# KiCad board omodri_laas.kicad_pcb (continued)
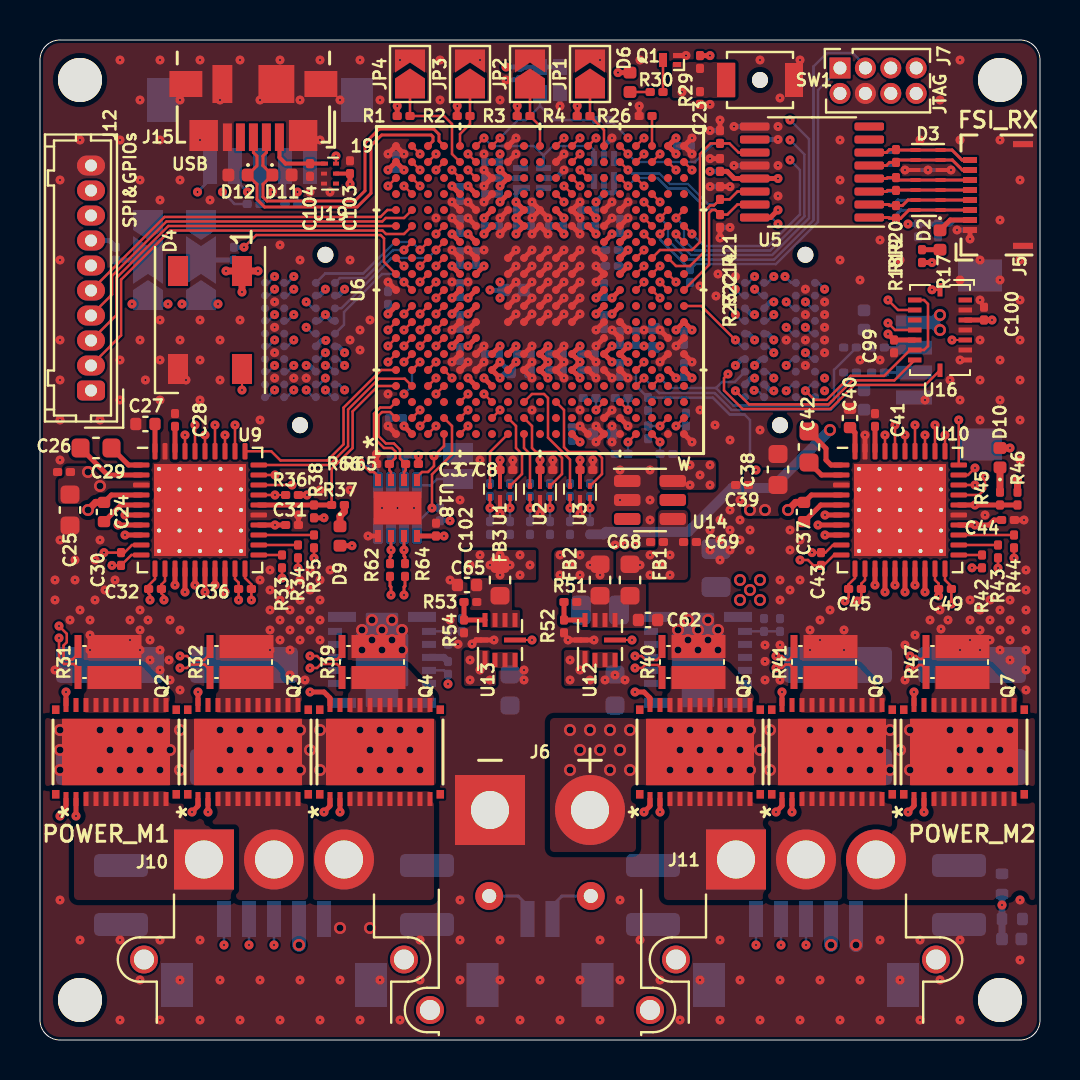
[diagram p0: board, top side]
## Routing (per net, layer and track width the routed paths; a pad name or vN(x,y) marks a point on that pad's centre or on a via; arc(x,y) is an arc through that point) (continued)
/OMODRI_GPIO/DRV2_GPIO_EN: length 22.6
  Top w0.125: U10.31 v1(45.25,30.25) ; U6.U11 v1(31,38.7)
  In3_sig.Cu w0.102: v1(45.25,30.25) 45.25,30.95 45,31.2 41.02,31.2 39.99,32.23 39.99,37.53 39.42,38.1 37.86,38.1 37.26,38.7 v1(31,38.7)
/OMODRI_GPIO/DRV_SPI_CLK: length 41.1
  Top w0.125: v1(46.75,28.6) 46.4,28.25 U10.29 ; U9.29 v1(11.75,28.25) ; U6.E3 v1(21.4,32.3)
  In3_sig.Cu w0.102: v1(11.75,28.25) 12.15,28.25 12.3,28.4 16.99,28.4 18.59,30.01 20.13,30.01 20.8,30.67 20.8,31.7 v1(21.4,32.3) 22.6,31.1 32.6,31.1 34.14,29.56 45.52,29.56 46.48,28.6 v1(46.75,28.6)
/OMODRI_GPIO/DRV_SPI_SIMO: length 39.6
  Top w0.125: v1(12.6,27.75) U9.28 ; U6.E1 v1(21.4,30.7) ; U10.28 v1(46.75,27.75)
  In3_sig.Cu w0.102: v1(12.6,27.75) 12.84,27.99 17.16,27.99 18.76,29.6 20.3,29.6 v1(21.4,30.7) 22.6,29.5 33.62,29.5 33.97,29.15 45.35,29.15 v1(46.75,27.75)
/OMODRI_GPIO/DRV_SPI_SOMI: length 43.1
  Top w0.102: R36.1 v1(11.75,27.25)
  Top w0.125: v1(47.25,28.17) 47.25,27.55 46.95,27.25 U10.27 ; U6.E2 v1(21.4,31.5) ; U9.27 v1(11.75,27.25)
  In3_sig.Cu w0.102: v1(11.75,27.25) 12.1,27.6 12.1,27.9 12.4,28.2 17.07,28.2 18.68,29.8 20.22,29.8 21,30.59 U6.E2 v1(21.4,31.5) 22.6,30.3 33.11,30.3 34.06,29.35 45.43,29.35 46.61,28.17 v1(47.25,28.17)
/OMODRI_GPIO/ECAT0_INT: length 9.8
  Top w0.125: U6.C11 v1(19,37.9)
  In2_sig.Cu w0.102: v1(19,37.9) 18.4,37.3 16.34,37.3 14.88,35.84 13.66,35.84 13.49,36.01 13.05,36.01 12.03,35 v1(11.73,35)
  Bottom w0.125: v1(11.73,35) 11.41,34.68 J9.A06
/OMODRI_GPIO/ECAT1_INT: length 3.9
  Top w0.125: U6.W9 33.07,36.7 v1(34.77,35)
  Bottom w0.125: J8.A06 35.09,34.68 v1(34.77,35)
/OMODRI_GPIO/ENC1_CHA: length 5
  Top w0.125: U6.J2 24.6,30.7 24.6,29.6 24.8,29.4 25.8,29.4 26.1,29.1 26.1,28.3 U2.4
/OMODRI_GPIO/ENC1_CHB: length 6.3
  Top w0.125: U3.6 26.5,29.02 25.4,30.12 25.4,32.1 25.2,32.3 24.6,32.3 U6.J3
/OMODRI_GPIO/ENC1_CHI: length 6.2
  Top w0.125: U3.4 28.1,28.3 28.1,29.1 27.8,29.4 26.44,29.4 26.2,29.64 26.2,31.5 U6.L3
/OMODRI_GPIO/ENC2_CHA: length 3
  Top w0.125: U1.6 22.5,29.4 U6.H1
/OMODRI_GPIO/ENC2_CHB: length 3.9
  Top w0.125: U6.H2 23.8,30.7 23.8,29.6 24.1,29.3 24.1,28.3 U1.4
/OMODRI_GPIO/ENC2_CHI: length 2.7
  Top w0.125: U2.6 24.5,29.3 24.2,29.6 U6.J1
/OMODRI_GPIO/ESC_I2C_SCL: length 6.8
  Top w0.125: v1(19,39.5) U6.C13
  Bottom w0.125: v1(19,39.5) 18.6,39.9 17.74,39.9 16.16,38.32 14.26,38.32 J9.C01
/OMODRI_GPIO/ESC_I2C_SDA: length 4.7
  Top w0.125: U6.B13 v1(18.2,39.5)
  Bottom w0.125: J9.D01 14.99,38.1 16.26,38.1 17.66,39.5 v1(18.2,39.5)
/OMODRI_GPIO/ESC_LED_ERR: length 12.1
  Top w0.125: v1(20.6,43.5) U6.E17
  In2_sig.Cu w0.102: v1(20.6,43.5) 20.4,43.3 20.3,43.3 19.8,42.8 19.8,42.5 18.21,40.91 17.65,40.91 16.26,39.52 16.26,38.43 16,38.17 v1(12.69,38.17)
  Bottom w0.125: v1(12.69,38.17) 12.37,37.86 J9.B01
/OMODRI_GPIO/ESC_LED_LINK0_ACTIVE: length 13.9
  Top w0.125: U6.F18 v1(21.4,44.3)
  In2_sig.Cu w0.102: v1(21.4,44.3) 20.99,43.89 20.99,43.29 20.8,43.1 20.38,43.1 20,42.72 20,42.41 18.29,40.71 17.73,40.71 16.46,39.44 16.46,38.34 16.09,37.97 13.12,37.97 v1(12.69,37.54)
  Bottom w0.125: J9.B02 12.37,37.22 v1(12.69,37.54)
/OMODRI_GPIO/ESC_LED_LINK1_ACTIVE: length 14.8
  Top w0.125: U6.F17 v1(21.4,43.5)
  In2_sig.Cu w0.102: v1(21.4,43.5) 21.2,43.3 21.2,43.1 21,42.9 21,42.5 20.8,42.3 20.18,42.3 18.38,40.5 17.82,40.5 16.67,39.35 16.67,38.26 15.51,37.11 13.69,37.11 13.5,37.3 13.1,37.3 12.9,37.1 12.17,37.1 v1(11.73,37.54)
  Bottom w0.125: v1(11.73,37.54) 11.41,37.22 J9.A02
/OMODRI_GPIO/ESC_LED_RUN: length 12.7
  Top w0.125: U6.D18 v1(19.8,43.5)
  In2_sig.Cu w0.102: v1(19.8,43.5) 19.8,43.09 19.59,42.89 19.59,42.58 18.13,41.11 17.56,41.11 16.05,39.61 16.05,38.51 15.94,38.4 13.17,38.4 12.97,38.6 12.16,38.6 v1(11.73,38.17)
  Bottom w0.125: v1(11.73,38.17) 11.41,37.86 J9.A01
/OMODRI_GPIO/ESC_MDIO_CLK: length 6.8
  Top w0.125: U6.D13 v1(19.8,39.5)
  Bottom w0.125: v1(19.8,39.5) 19.4,39.1 17.58,39.1 15.07,36.59 J9.D03
/OMODRI_GPIO/ESC_MDIO_DATA: length 7.7
  Top w0.125: U6.A12 v1(18.2,38.7)
  In3_sig.Cu w0.102: v1(12.69,36.27) 13.36,36.27 14.19,37.1 15.51,37.1 16.92,38.5 18,38.5 v1(18.2,38.7)
  Bottom w0.125: v1(12.69,36.27) 12.37,35.95 J9.B04
/OMODRI_GPIO/ESC_PHY0_LINKSTATUS: length 9.7
  Top w0.125: v1(19.8,40.3) U6.D14
  In2_sig.Cu w0.102: v1(13.31,36.91) 15.6,36.91 16.87,38.18 16.87,39.27 17.9,40.3 v1(19.8,40.3)
  Bottom w0.125: v1(13.31,36.91) 13.63,36.59 J9.C03
/OMODRI_GPIO/ESC_PHY1_LINKSTATUS: length 23.4
  Top w0.125: U6.C18 v1(19.8,44.3)
  In2_sig.Cu w0.102: v1(19.8,44.3) 20.2,44.7 24.5,44.7 25.3,45.5 29.53,45.5 29.8,45.23 29.8,43.7 30.99,42.51 31.41,42.51 32.71,41.21 34.89,41.21 35.15,40.95 35.15,37.92 v1(34.77,37.54)
  Bottom w0.125: v1(34.77,37.54) 35.09,37.22 J8.A02
/OMODRI_GPIO/ESC_RX0_CLK: length 5.8
  Top w0.125: U6.A8 v1(17.4,35.5)
  In2_sig.Cu w0.102: v1(14.27,33.09) 15.54,33.09 16.8,34.35 16.8,35.2 16.9,35.3 17.2,35.3 v1(17.4,35.5)
  Bottom w0.125: J9.C09 13.95,32.78 v1(14.27,33.09)
/OMODRI_GPIO/ESC_RX0_D0: length 7.6
  Top w0.125: U6.C5 v1(19.8,33.9)
  In2_sig.Cu w0.102: v1(19.8,33.9) 19.42,33.52 16.82,33.52 15.42,32.12 14.65,32.12 v1(14.27,32.5)
  Bottom w0.125: J9.D10 14.63,32.14 v1(14.27,32.5)
/OMODRI_GPIO/ESC_RX0_D1: length 10.3
  Top w0.125: U6.D5 v1(20.6,33.1)
  In2_sig.Cu w0.102: v1(12.69,32.5) 13.18,32.01 13.52,32.01 13.81,31.72 15.59,31.72 16.99,33.12 18.87,33.12 19.29,32.7 20.2,32.7 v1(20.6,33.1)
  Bottom w0.125: J9.B10 12.33,32.14 v1(12.69,32.5)
/OMODRI_GPIO/ESC_RX0_D2: length 8.6
  Top w0.125: U6.C4 v1(19.8,33.1)
  In2_sig.Cu w0.102: v1(19.8,33.1) 19.2,33.1 18.98,33.32 16.91,33.32 15.51,31.92 13.89,31.92 v1(13.31,32.5)
  Bottom w0.125: J9.C10 13.67,32.14 v1(13.31,32.5)
/OMODRI_GPIO/ESC_RX0_D3: length 10.5
  Top w0.125: U6.D4 v1(19.8,32.3)
  In2_sig.Cu w0.102: v1(19.8,32.3) 19.4,32.3 18.79,32.91 17.08,32.91 15.68,31.51 13.72,31.51 13.43,31.8 12.43,31.8 v1(11.73,32.5)
  Bottom w0.125: J9.A10 11.37,32.14 v1(11.73,32.5)
/OMODRI_GPIO/ESC_RX0_DV: length 7.3
  Top w0.125: U6.D9 v1(19.8,36.3)
  In2_sig.Cu w0.102: v1(15.23,33.73) 15.88,33.73 16.59,34.44 16.59,35.29 16.7,35.39 16.7,35.4 17.2,35.9 19.4,35.9 v1(19.8,36.3)
  Bottom w0.125: v1(15.23,33.73) 14.91,34.05 J9.D07
/OMODRI_GPIO/ESC_RX0_ERR: length 5.8
  Top w0.125: v1(18.2,35.5) U6.B8
  In2_sig.Cu w0.102: v1(15.23,32.5) 17,34.27 17,34.92 17.18,35.1 17.6,35.1 17.8,35.3 18,35.3 v1(18.2,35.5)
  Bottom w0.125: v1(15.23,32.5) 14.95,32.78 J9.D09
/OMODRI_GPIO/ESC_RX1_CLK: length 11.7
  Top w0.125: U6.T18 v1(30.2,44.3)
  In2_sig.Cu w0.102: v1(30.2,44.3) 30.2,43.7 31.18,42.72 31.5,42.72 32.8,41.41 35,41.41 35.35,41.06 35.35,37.92 v1(35.73,37.54)
  Bottom w0.125: J8.B02 36.05,37.22 v1(35.73,37.54)
/OMODRI_GPIO/ESC_RX1_D0: length 18
  Top w0.125: U6.N19 v1(27.8,45.1)
  In2_sig.Cu w0.102: v1(27.8,45.1) 29,43.9 29,38.16 30.65,36.51 32.99,36.51 33.86,35.64 v1(37.31,35.64)
  Bottom w0.125: J8.C05 37.63,35.32 v1(37.31,35.64)
/OMODRI_GPIO/ESC_RX1_D1: length 18.4
  Top w0.125: U6.M19 v1(27,45.1)
  In2_sig.Cu w0.102: v1(36.69,34.36) 36.47,34.59 34.62,34.59 32.9,36.31 30.57,36.31 28.8,38.08 28.8,39.3 28.2,39.9 28.2,43.9 v1(27,45.1)
  Bottom w0.125: v1(36.69,34.36) 36.37,34.68 J8.B06
/OMODRI_GPIO/ESC_RX1_D2: length 20
  Top w0.125: v1(27,44.3) U6.M18
  In2_sig.Cu w0.102: v1(38.27,34.36) 37.34,34.36 36.93,33.96 36.45,33.96 36.02,34.39 34.54,34.39 32.82,36.1 30.48,36.1 28.59,37.99 28.59,38.71 28.2,39.1 27.6,39.1 27.4,39.3 27.4,43.9 v1(27,44.3)
  Bottom w0.125: v1(38.27,34.36) 38.59,34.05 J8.D07
/OMODRI_GPIO/ESC_RX1_D3: length 20.6
  Top w0.125: v1(26.2,45.1) U6.L19
  In2_sig.Cu w0.102: v1(26.2,45.1) 26.6,44.7 26.6,38.5 26.8,38.3 28,38.3 30.4,35.9 32.73,35.9 34.45,34.18 35.81,34.18 36.26,33.73 v1(37.31,33.73)
  Bottom w0.125: J8.C07 37.63,34.05 v1(37.31,33.73)
/OMODRI_GPIO/ESC_RX1_DV: length 14.9
  Top w0.125: U6.T17 v1(30.2,42.7)
  In2_sig.Cu w0.102: v1(30.2,42.7) 30.51,42.7 30.9,42.31 31.33,42.31 32.63,41.01 34.8,41.01 34.94,40.87 34.94,38.88 34.39,38.33 34.39,37.38 34.66,37.12 35.84,37.12 36.32,37.6 37.57,37.6 v1(38.27,36.91)
  Bottom w0.125: v1(38.27,36.91) 38.59,36.59 J8.D03
/OMODRI_GPIO/ESC_RX1_ERR: length 11.8
  Top w0.125: U6.T19 v1(30.2,45.1)
  In2_sig.Cu w0.102: v1(30.2,45.1) 30.6,44.7 30.6,43.7 31.38,42.92 31.58,42.92 32.88,41.62 35.08,41.62 35.55,41.15 35.55,38.87 35.73,38.69 v1(35.73,38.17)
  Bottom w0.125: v1(35.73,38.17) 35.41,37.86 J8.A01
/OMODRI_GPIO/ESC_TX0_CLK: length 5.8
  Top w0.125: U6.B10 v1(18.2,37.9)
  Bottom w0.125: J9.D05 15.2,35.77 15.2,36.4 17.1,38.3 17.8,38.3 v1(18.2,37.9)
/OMODRI_GPIO/ESC_TX0_D0: length 9.6
  Top w0.125: v1(19.8,37.9) U6.C10
  In2_sig.Cu w0.102: v1(12.69,35) 13.41,35 13.84,35.43 15.05,35.43 16.51,36.89 18.57,36.89 18.97,37.3 19.4,37.3 19.7,37.6 19.7,37.8 v1(19.8,37.9)
  Bottom w0.125: v1(12.69,35) 12.37,34.68 J9.B06
/OMODRI_GPIO/ESC_TX0_D1: length 10.6
  Top w0.125: v1(19.8,37.1) U6.D10
  In3_sig.Cu w0.102: v1(19.8,37.1) 16.7,37.1 15.34,35.74 14.15,35.74 12.91,34.5 12.5,34.5 v1(11.73,33.73)
  Bottom w0.125: J9.A08 11.41,33.41 v1(11.73,33.73)
/OMODRI_GPIO/ESC_TX0_D2: length 6.2
  Top w0.125: U6.B9 v1(18.2,36.3)
  In2_sig.Cu w0.102: v1(14.27,34.36) 16.59,36.69 17.81,36.69 v1(18.2,36.3)
  Bottom w0.125: v1(14.27,34.36) 13.95,34.05 J9.C07
/OMODRI_GPIO/ESC_TX0_D3: length 9.2
  Top w0.125: U6.C9 v1(19,36.3)
  In3_sig.Cu w0.102: v1(12.69,33.73) 13.06,34.1 13.06,34.36 14.24,35.54 15.44,35.54 16.8,36.9 18.4,36.9 v1(19,36.3)
  Bottom w0.125: J9.B08 12.37,33.41 v1(12.69,33.73)
/OMODRI_GPIO/ESC_TX0_ENA: length 9.3
  Top w0.125: v1(19.8,38.7) U6.D12
  In2_sig.Cu w0.102: v1(13.31,35.64) 14.96,35.64 16.43,37.1 18.49,37.1 18.91,37.52 19.22,37.52 19.4,37.7 19.4,38.3 v1(19.8,38.7)
  Bottom w0.125: J9.C05 13.63,35.32 v1(13.31,35.64)
/OMODRI_GPIO/ESC_TX1_CLK: length 5.3
  Top w0.125: U6.U10 v1(31,37.1)
  In2_sig.Cu w0.102: v1(34.77,36.27) 33.8,36.27 33.16,36.92 31.69,36.92 31.51,37.1 v1(31,37.1)
  Bottom w0.125: J8.A04 35.09,35.95 v1(34.77,36.27)
/OMODRI_GPIO/ESC_TX1_D0: length 7.5
  Top w0.125: U6.V10 v1(31,37.9)
  In2_sig.Cu w0.102: v1(31,37.9) 31.78,37.12 33.24,37.12 33.67,36.69 36.27,36.69 v1(36.69,36.27)
  Bottom w0.125: v1(36.69,36.27) 36.37,35.95 J8.B04
/OMODRI_GPIO/ESC_TX1_D1: length 11.9
  Top w0.125: U6.W18 v1(32.6,43.5)
  In2_sig.Cu w0.102: v1(39.23,37.54) 38.85,37.92 38.11,37.92 36.17,39.87 36.17,41.42 35.36,42.23 33.13,42.23 32.3,43.06 32.3,43.2 v1(32.6,43.5)
  Bottom w0.125: J8.D01 38.91,37.86 v1(39.23,37.54)
/OMODRI_GPIO/ESC_TX1_D2: length 10.1
  Top w0.125: U6.V18 v1(31.8,43.5)
  In2_sig.Cu w0.102: v1(37.25,38.17) 35.96,39.46 35.96,41.34 35.27,42.03 33.05,42.03 32.1,42.98 32.1,43.2 v1(31.8,43.5)
  Bottom w0.125: J8.C01 37.57,37.86 v1(37.25,38.17)
/OMODRI_GPIO/ESC_TX1_D3: length 11
  Top w0.125: v1(31,44.3) U6.U18
  In2_sig.Cu w0.102: v1(31,44.3) 31,43.7 31.58,43.12 31.67,43.12 32.97,41.82 35.17,41.82 35.76,41.23 35.76,39.11 v1(36.69,38.17)
  Bottom w0.125: v1(36.69,38.17) 36.37,37.86 J8.B01
/OMODRI_GPIO/ESC_TX1_ENA: length 10.8
  Top w0.102: U6.T10 v1(30.2,37.9)
  In2_sig.Cu w0.102: v1(38.27,35.64) 37.81,36.1 37.16,36.1 36.9,35.84 33.95,35.84 33.07,36.71 30.74,36.71 30.2,37.25 v1(30.2,37.9)
  Bottom w0.125: J8.D05 38.59,35.32 v1(38.27,35.64)
/OMODRI_GPIO/GPIO_SELECT_0: length 3.2
  Top w0.125: 27.5,47.58 R4.2 28.2,45.5 U6.P19
/OMODRI_GPIO/GPIO_SELECT_1: length 3.1
  Top w0.125: U6.K19 25,45.7 R3.2 24.5,47.58
/OMODRI_GPIO/GPIO_SELECT_2: length 3.1
  Top w0.125: U6.E19 21,45.3 21.5,45.8 R2.2 21.5,47.58
/OMODRI_GPIO/GPIO_SELECT_3: length 5.7
  Top w0.125: U6.E18 20.6,44.3 20.6,45.8 20.2,46.2 R1.2 18.5,47.58
/OMODRI_GPIO/IMU_GPIO_INT1: length 16.6
  Top w0.125: U6.U16 v1(31,41.9) ; U16.16 v1(44.6,37.51)
  In3_sig.Cu w0.102: v1(31,41.9) 31.2,41.7 35.1,41.7 36.47,40.33 37.43,40.33 37.71,40.61 40.09,40.61 43.19,37.51 v1(44.6,37.51)
/OMODRI_GPIO/IMU_GPIO_INT3: length 18.6
  Top w0.125: v1(42.4,35.85) 42.75,35.5 U16.12 ; U6.U14 v1(30.2,41.1)
  In3_sig.Cu w0.102: v1(30.2,41.1) U6.U14 33.51,40.7 34.11,41.3 34.93,41.3 36.3,39.93 37.64,39.93 37.92,40.2 39.9,40.2 42.8,37.3 42.8,36.25 v1(42.4,35.85)
/OMODRI_GPIO/M1_Ia: length 26.9
  Top w0.125: U6.T1 v1(29.4,29.9) ; v1(13.7,24.1) R35.1
  In2_sig.Cu w0.125: v1(29.4,29.9) 29,29.5 26.5,29.5 26.25,29.75 14.25,29.75 13.6,29.1 11.55,29.1 11.15,28.71 11.15,25.67 12.72,24.1 v1(13.7,24.1)
  Bottom w0.125: C35.1 v1(29.4,29.9)
/OMODRI_GPIO/M1_Ib: length 29.3
  Top w0.125: U6.W2 v1(31.8,30.7) ; v1(12.9,23.6) R34.1
  In2_sig.Cu w0.125: v1(31.8,30.7) 31.4,30.3 26.6,30.3 26.27,29.97 14.15,29.97 13.51,29.33 11.45,29.33 10.93,28.8 10.93,25.57 v1(12.9,23.6)
  Bottom w0.125: C34.1 v1(31.8,30.7)
/OMODRI_GPIO/M1_Ic: length 26.2
  Top w0.125: U6.P3 v1(27.8,31.5) ; v1(12.1,23.1) R33.1
  In2_sig.Cu w0.125: v1(12.1,23.1) 12.1,24.08 10.7,25.48 10.7,28.9 11.35,29.55 13.41,29.55 14.06,30.2 25.7,30.2 26.6,31.1 27.4,31.1 v1(27.8,31.5)
  Bottom w0.125: C33.1 v1(27.8,31.5)
/OMODRI_GPIO/M1_PWM1_CHA: length 15.3
  Top w0.125: v1(19,35.5) U6.C8 ; v1(9.75,30.75) U9.32
  In3_sig.Cu w0.102: v1(19,35.5) 18.6,35.9 17.27,35.9 16.82,35.45 16.82,34.73 15.7,33.61 15.7,32.1 13.62,30.02 10.48,30.02 v1(9.75,30.75)
/OMODRI_GPIO/M1_PWM1_CHB: length 15.5
  Top w0.125: U6.D8 v1(19.8,35.5) ; U9.33 v1(9.25,30.25)
  In3_sig.Cu w0.102: v1(9.25,30.25) 9.96,30.25 10.4,29.81 13.7,29.81 15.9,32.02 15.9,33.53 17.02,34.64 17.02,34.85 17.27,35.1 19.4,35.1 v1(19.8,35.5)
/OMODRI_GPIO/M1_PWM2_CHA: length 14.4
  Top w0.102: 17.4,34.71 17.4,34.71
  Top w0.125: U6.A7 17.4,34.71 ; v1(8.75,30.75) U9.34
  In3_sig.Cu w0.102: v1(17.4,34.7) 17.2,34.5 17.17,34.5 16.11,33.44 16.11,31.93 13.79,29.61 9.18,29.61 8.75,30.04 v1(8.75,30.75)
/OMODRI_GPIO/M1_PWM2_CHB: length 14.8
  Top w0.125: U6.B7 v1(18.2,34.7) ; U9.35 v1(8.25,30.25)
  In3_sig.Cu w0.102: v1(18.2,34.7) 17.8,34.3 17.25,34.3 16.31,33.36 16.31,31.85 13.87,29.41 9.09,29.41 v1(8.25,30.25)
/OMODRI_GPIO/M1_PWM3_CHA: length 17.7
  Top w0.125: v1(7.75,30.75) U9.36 ; U6.C7 v1(19,34.7)
  In3_sig.Cu w0.102: v1(7.75,30.75) 7.75,30.04 8.58,29.2 13.95,29.2 16.51,31.76 16.51,33.21 16.8,33.5 18.4,33.5 18.6,33.7 18.6,34.3 v1(19,34.7)
/OMODRI_GPIO/M1_PWM3_CHB: length 18
  Top w0.125: U9.37 v1(7.25,30.25) ; U6.D7 v1(19.8,34.7)
  In3_sig.Cu w0.102: v1(19.8,34.7) 19.4,34.3 19.4,33.7 19,33.3 16.88,33.3 16.72,33.13 16.72,31.68 14.04,29 8.5,29 v1(7.25,30.25)
/OMODRI_GPIO/M1_Vbus: length 48.8
  Top w0.125: U6.T5 v1(30.2,33.9)
  In2_sig.Cu w0.125: v1(35.8,28.5) 36.2,28.5 36.37,28.67 39.97,28.67 40.42,29.12 45.29,29.12 45.62,28.79 45.62,23.28 46.15,22.75 48.5,22.75 48.9,22.35 48.9,16.9 49.3,16.5 49.3,7.95 v1(48.1,6.75)
  Bottom w0.125: v1(35.8,28.5) 35.5,28.8 35.5,31 35.23,31.27 34.49,31.27 33.64,32.12 C19.1 29.8,32.72 U6.T5 v1(30.2,33.9)
  Bottom w0.35: D5.1 R25.1 v1(48.1,6.75) R24.2
/OMODRI_GPIO/M2_Ia: length 26.5
  Top w0.125: R44.1 v1(48.7,24.1) ; U6.U1 v1(31,29.9)
  In2_sig.Cu w0.125: v1(31,29.9) 31.4,29.5 33.48,29.5 34.08,28.9 39.88,28.9 40.33,29.35 45.38,29.35 45.85,28.88 45.85,23.37 46.25,22.97 47.97,22.97 48.7,23.7 v1(48.7,24.1)
  Bottom w0.125: C48.1 v1(31,29.9)
/OMODRI_GPIO/M2_Ib: length 25.8
  Top w0.125: R43.1 v1(47.9,23.6) ; v1(31,30.7) U6.V2
  In2_sig.Cu w0.125: v1(47.9,23.6) 47.5,23.2 46.38,23.2 46.07,23.51 46.07,28.98 45.48,29.57 40.23,29.57 39.79,29.13 34.17,29.13 32.2,31.1 U6.V2 v1(31,30.7)
  Bottom w0.125: v1(31,30.7) C47.1
/OMODRI_GPIO/M2_Ic: length 25.5
  Top w0.125: U6.R3 v1(29.4,31.5) ; R42.1 v1(46.6,23.61)
  In2_sig.Cu w0.125: v1(46.6,23.61) 46.3,23.91 46.3,29.07 45.57,29.8 40.14,29.8 39.69,29.35 34.27,29.35 32.12,31.5 v1(29.4,31.5)
  Bottom w0.125: v1(29.4,31.5) C46.1
/OMODRI_GPIO/M2_PWM1_CHA: length 32.7
  Top w0.125: U10.32 v1(44.75,30.75) ; U6.A6 v1(17.4,33.9)
  In2_sig.Cu w0.102: v1(44.75,30.75) 43.45,32.05 34.5,32.05 33.75,32.8 33.75,34.14 32.79,35.1 18,35.1 17.8,34.9 U6.A6 v1(17.4,33.9)
/OMODRI_GPIO/M2_PWM1_CHB: length 30.5
  Top w0.102: 18.21,33.91 18.19,33.91
  Top w0.125: U6.B6 18.21,33.91 ; U10.33 v1(44.25,30.25)
  In2_sig.Cu w0.102: v1(18.2,33.9) U6.B6 33.3,34.3 33.55,34.05 33.55,32.71 34.41,31.85 43.36,31.85 44.25,30.96 v1(44.25,30.25)
/OMODRI_GPIO/M2_PWM2_CHA: length 23.9
  Top w0.125: U6.G2 v1(23,31.5) ; v1(43.75,30.75) U10.34
  In2_sig.Cu w0.102: v1(23,31.5) 23.51,31.5 24.71,32.7 33.27,32.7 34.33,31.64 42.86,31.64 v1(43.75,30.75)
/OMODRI_GPIO/M2_PWM2_CHB: length 25.3
  Top w0.125: v1(22.2,32.3) U6.G3 ; v1(43.25,30.25) U10.35
  In2_sig.Cu w0.102: v1(22.2,32.3) 22.2,31.59 22.68,31.1 23.4,31.1 24.8,32.5 33.19,32.5 34.25,31.44 42.77,31.44 43.25,30.96 v1(43.25,30.25)
/OMODRI_GPIO/M2_PWM3_CHA: length 28.4
  Top w0.125: v1(19,31.5) U6.B2 ; U10.36 v1(42.75,30.75)
  In2_sig.Cu w0.102: v1(19,31.5) 19.4,31.9 21.6,31.9 22.6,30.9 24.7,30.9 26.09,32.29 33.11,32.29 35.36,30.04 37.34,30.04 38.54,31.24 41.55,31.24 42.04,30.75 v1(42.75,30.75)
/OMODRI_GPIO/M2_PWM3_CHB: length 26.5
  Top w0.125: U10.37 v1(42.25,30.25) ; U6.C1 v1(19.8,30.7)
  In2_sig.Cu w0.102: v1(42.25,30.25) 41.47,31.03 38.62,31.03 37.42,29.84 35.27,29.84 33.02,32.09 26.19,32.09 24.8,30.7 22.52,30.7 22.11,31.1 20.2,31.1 v1(19.8,30.7)
/OMODRI_GPIO/WS2812B_CMD_SIMO: length 12.9
  Top w0.102: D4.4 v1(10.1,32.5)
  Top w0.125: U6.B5 v1(19,33.9)
  In2_sig.Cu w0.102: v1(18.2,32.3) 17.79,32.71 17.16,32.71 15.76,31.31 13.64,31.31 13.35,31.6 11,31.6 v1(10.1,32.5)
  Bottom w0.125: v1(18.2,32.3) 18.6,32.7 U6.B5 v1(19,33.9)
/OMODRI_GPIO/~{DBG_SPI_CSn}_BOOT_MODE_1: length 46.4
  Top w0.125: U6.B16 v1(18.2,42.7)
  In2_sig.Cu w0.102: v1(18.2,42.7) 18.2,42.68 16.54,41.02 3.6,41.02 2.55,39.98
  In3_sig.Cu w0.102: v1(37.31,32.46) 36.85,32 34.5,32 33.7,32.8 33.7,35.48 33.08,36.1 30.7,36.1 28.59,38.21 28.59,38.71 28.2,39.1 20.4,39.1 20.2,39.3 20.2,41.7 19.8,42.1 18.8,42.1 v1(18.2,42.7)
  Bottom w0.125: v1(37.31,32.46) 37.63,32.78 J8.C09
  Bottom w0.25: R60.2 3.47,39.98 2.55,39.98
/OMODRI_GPIO/~{DRV1_GPIO_CSn}: length 10.7
  Top w0.125: U6.B4 18.24,33.06 16.94,33.06 15.4,31.52 15.4,29.69 14.46,28.75 U9.30
/OMODRI_GPIO/~{DRV1_GPIO_FAULTn}: length 11.5
  Top w0.125: R37.1 14.58,28.55 15.63,29.6 15.63,31.43 16.9,32.7 U6.A4
  Top w0.25: U9.26 R38.1 R37.1
/OMODRI_GPIO/~{DRV2_GPIO_CSn}: length 25.2
  Top w0.125: U10.30 v1(45.94,31) ; v1(30.2,38.7) U6.T11
  In3_sig.Cu w0.102: v1(30.2,38.7) 30.58,39.08 31.16,39.08 31.33,38.9 37.35,38.9 37.95,38.3 39.51,38.3 40.2,37.62 40.2,32.32 41.11,31.4 45.53,31.4 v1(45.94,31)
/OMODRI_GPIO/~{DRV2_GPIO_FAULTn}: length 31.6
  Top w0.125: U6.T12 v1(30.2,39.5)
  Top w0.25: R46.1 R45.1 v1(46.75,26.75) U10.26
  In3_sig.Cu w0.102: v1(46.75,26.75) 47.63,27.63 47.63,28.47 46.4,29.7 46.4,31.2 45.99,31.61 41.19,31.61 40.4,32.4 40.4,37.7 39.59,38.51 38.03,38.51 37.43,39.11 31.41,39.11 31.02,39.5 v1(30.2,39.5)
/OMODRI_GPIO/~{ESC_PHY_RESETn}: length 9.8
  Top w0.125: U6.C12 v1(19,38.7)
  In3_sig.Cu w0.102: v1(19,38.7) 18.6,38.3 17,38.3 15.6,36.9 14.27,36.9 13.44,36.07 13.12,36.07 12.85,35.8 12.5,35.8 12.03,36.27 v1(11.73,36.27)
  Bottom w0.125: v1(11.73,36.27) 11.41,35.95 J9.A04
/OMODRI_GPIO/~{IMU_GPIO_SPI_ACCEL_CSn}: length 17.1
  Top w0.125: v1(42.4,37) 42.9,36.5 U16.14 ; U6.U13 v1(30.2,40.3)
  In3_sig.Cu w0.102: v1(30.2,40.3) U6.U13 33,39.9 34.19,41.09 34.84,41.09 36.21,39.72 37.74,39.72 37.98,39.96 39.85,39.96 42.4,37.41 v1(42.4,37)
/OMODRI_GPIO/~{IMU_GPIO_SPI_GYRO_CSn}: length 20.4
  Top w0.102: U6.U15 30.5,41.6 ; v1(45.6,35) U16.5
  Top w0.125: 30.5,41.6 v1(30.2,41.9)
  In3_sig.Cu w0.102: v1(30.2,41.9) U6.U15 35.01,41.5 36.38,40.13 37.55,40.13 37.83,40.41 39.98,40.41 43,37.38 43,36.25 44.25,35 v1(45.6,35)
/OMODRI_IMU_DBG/BOOT_0: length 1.7
  Bottom w0.25: R59.1 JP5.2
/OMODRI_IMU_DBG/BOOT_1: length 1.6
  Bottom w0.25: R60.1 JP6.2
/OMODRI_QuadEncod/ENC1_A: length 30
  Top w0.125: U2.3 v1(25.5,26.6)
  In3_sig.Cu w0.125: v1(25.5,26.6) 30.3,21.8 30.3,13.16 32.2,11.26 32.2,7 33.15,6.05 34.5,6.05 v1(35.8,4.75)
  Bottom w0.125: J2.1 v1(35.8,4.75) ; C6.1 v1(25.5,26.6) R9.2
/OMODRI_QuadEncod/ENC1_B: length 30.6
  Top w0.125: U3.1 v1(26.5,26.6)
  In3_sig.Cu w0.125: v1(37.05,4.75) 35.53,6.27 33.25,6.27 32.43,7.09 32.43,11.35 30.53,13.25 30.53,21.89 R8.2 v1(26.5,26.6)
  Bottom w0.125: C5.1 v1(26.5,26.6) R8.2 ; J2.2 v1(37.05,4.75)
/OMODRI_QuadEncod/ENC1_I: length 31.3
  Top w0.125: U3.3 v1(27.5,26.6)
  In3_sig.Cu w0.125: v1(27.5,26.6) 27.5,25.24 30.75,21.99 30.75,13.35 32.65,11.45 32.65,7.19 33.34,6.5 36.55,6.5 v1(38.3,4.75)
  Bottom w0.125: R7.2 v1(27.5,26.6) C4.1 ; J2.3 v1(38.3,4.75)
/OMODRI_QuadEncod/ENC2_A: length 34
  Top w0.125: v1(22.5,26.6) U1.1
  In3_sig.Cu w0.125: v1(9.2,4.75) 11.08,6.63 16.23,6.63 20.05,10.45 20.05,16.51 19.35,17.21 19.35,23.45 v1(22.5,26.6)
  Bottom w0.125: R12.2 v1(22.5,26.6) C11.1 ; J3.1 v1(9.2,4.75)
/OMODRI_QuadEncod/ENC2_B: length 34.1
  Top w0.125: U1.3 v1(23.5,26.6)
  In3_sig.Cu w0.125: v1(23.5,26.6) 23.5,26 23.2,25.7 21.92,25.7 19.57,23.35 19.57,17.31 20.27,16.61 20.27,10.35 16.32,6.4 12.1,6.4 v1(10.45,4.75)
  Bottom w0.125: C10.1 v1(23.5,26.6) R11.2 ; J3.2 v1(10.45,4.75)
/OMODRI_QuadEncod/ENC2_I: length 33.5
  Top w0.125: U2.1 v1(24.5,26.6)
  In3_sig.Cu w0.125: v1(11.7,4.75) 13.05,6.1 16.34,6.1 20.5,10.26 20.5,16.7 19.8,17.4 19.8,23.26 22.01,25.47 23.37,25.47 v1(24.5,26.6)
  Bottom w0.125: J3.3 v1(11.7,4.75) ; R10.2 v1(24.5,26.6) C9.1
/Power distribution/OMODRI_Alim_1V2/FB_1V2: length 2
  Top w0.25: U13.9 R54.1 R53.2
/Power distribution/OMODRI_Alim_1V2/PG_5V0: length 15.4
  Top w0.102: U13.5 v1(24.6,20) ; U12.5 v1(29.6,20)
  In2_sig.Cu w0.102: v1(29.6,20) 29.1,20.5 25.1,20.5 v1(24.6,20) 24.1,20.5 20.9,20.5 20.4,20 v1(20.4,17.8)
  Bottom w0.125: U11.12 20.2,18.48 20.4,18.28 v1(20.4,17.8)
/Power distribution/OMODRI_Alim_3V3/FB_3V3: length 2
  Top w0.25: U12.9 R52.1 R51.2
/Power distribution/OMODRI_Alim_5V/FB_5V0: length 1.6
  Bottom w0.125: U11.9 R50.2 R48.2
/Power distribution/OMODRI_Alim_12V/FB_12V0: length 1.8
  Bottom w0.125: R58.2 R57.2 U15.9
REF_3V0_BUF: length 44.6
  Top w0.25: U6.W5 v1(32.6,33.1) ; C31.1 v1(11.75,25.75) U9.24 ; U6.V5 v1(31.8,33.1) ; U10.24 v1(46.75,25.75) 47.45,25.75 47.7,26 C44.1
  In2_sig.Cu w0.5: v1(11.75,25.75) 11.97,25.53 15.03,25.53 17.25,27.75 v1(32.5,27.75)
  In4_PWR.Cu w0.5: v1(46.75,25.75) 46,26.5 46,28.9 45.5,29.4 34.15,29.4 v1(33.5,28.75)
  Bottom w0.25: v1(32.6,33.1) 32.28,33.1 C71.1 32.12,33.1 v1(31.8,33.1) ; v1(28.6,30.7) C70.1 v1(28.6,29.9)
  vias: v1(32.5,28.75) v1(33,28.25) v1(33.5,27.75)
VPOWER: length 5.9
  Top w0.25: U10.4 38.57,27.25 C37.1 ; C24.1 3.57,27.25 U9.4
  Top w0.35: C37.1 37.78,26.88 v2(37.4,26.5) ; C24.1 2.78,26.88 v2(2.4,26.5)
  vias: v2(1,15.5) v2(1,14.5) v2(1,13.5) v2(3,15.5) v2(3,13.5) v2(3.5,14.5) v2(4,15.5) v2(4,13.5) v2(4.5,14.5) v2(5,15.5) v2(5,13.5) v2(5.5,14.5) v2(6,15.5) v2(6,13.5) v2(6.5,14.5) v2(7,15.5) v2(7,13.5) v2(9,15.5) v2(9,13.5) v2(9.5,14.5) v2(10,15.5) v2(10,13.5) v2(10.5,14.5) v2(11,15.5) v2(11,13.5) v2(11.5,14.5) v2(12,15.5) v2(12,13.5) v2(12.5,14.5) v2(13,15.5) v2(13,13.5) v2(13.5,14.5) v2(14,15.5) v2(14,13.5) v2(16,15.5) v2(16,13.5) v2(16.5,14.5) v2(17,15.5) v2(17,13.5) v2(17.5,14.5) v2(18,15.5) v2(18,13.5) v2(18.5,14.5) v2(19,15.5) v2(19,13.5) v2(26.5,15.5) v2(26.5,13.5) v2(27,14.5) v2(27.5,15.5) v2(28,14.5) v2(28.5,15.5) v2(28.5,13.5) v2(29,14.5) v2(29.5,15.5) v2(29.5,13.5) v2(31.5,15.5) v2(31.5,13.5) v2(32,14.5) v2(32.5,15.5) v2(32.5,13.5) v2(33,14.5) v2(33.5,15.5) v2(33.5,13.5) v2(34,14.5) v2(34.5,15.5) v2(34.5,13.5) v2(35,14.5) v2(35.5,15.5) v2(35.5,13.5) v2(36,14.5) v2(36.5,15.5) v2(36.5,13.5) v2(38.5,15.5) v2(38.5,13.5) v2(39,14.5) v2(39.5,15.5) v2(39.5,13.5) v2(40,14.5) v2(40.5,15.5) v2(40.5,13.5) v2(41,14.5) v2(41.5,15.5) v2(41.5,13.5) v2(42,14.5) v2(42.5,15.5) v2(42.5,13.5) v2(43,14.5) v2(43.5,15.5) v2(43.5,13.5) v2(45.5,15.5) v2(45.5,13.5) v2(46,14.5) v2(46.5,15.5) v2(46.5,13.5) v2(47,14.5) v2(47.5,15.5) v2(47.5,13.5) v2(48,14.5) v2(48.5,15.5) v2(48.5,13.5)
Net-(D2-Pad1): length 1.7
  Top w0.25: D2.1 45.51,41 J5.2
Net-(D2-Pad2): length 0.9
  Top w0.25: D2.2 R17.1
Net-(D6-Pad1): length 1
  Top w0.125: R30.1 D6.1
Net-(D9-Pad1): length 1.2
  Top w0.35: D9.1 15,26.2 15.22,26.42 R37.2
Net-(D10-Pad1): length 1.2
  Top w0.35: R45.2 D10.1
Net-(Q1-Pad3): length 1.6
  Top w0.125: Q1.3 R30.2

## Copper pours and planes (outline as drawn; the poured copper is in the pictures)
5V0 on Top: 27.5,18.5 27.8,18.5 27.8,17.7 26.2,17.7 26.2,19.5 27.5,19.5
5V0 on Top: 22.5,18.5 22.8,18.5 22.8,17.7 21.2,17.7 21.2,19.5 22.5,19.5
5V0 on Bottom: 39.7,31.8 37.4,31.8 37.4,32.6 38.9,32.6 38.9,33.4 39.7,33.4
5V0 on Bottom: 27.9,17.7 20.8,17.7 20.8,20.75 14.35,20.75 14.35,23 22.1,23 22.1,25.5 27.9,25.5
5V0 on In3_sig.Cu: 40,29.9 39,29.9 39,33.5 40,33.5
12V0 on Top: 40.5,26.2 35.2,26.2 35.2,28.5 40.5,28.5
12V0 on Top: 1.2,28.7 5.5,28.7 5.5,26.8 0.9,26.8 0.9,28.1 1.2,28.1
12V0 on Bottom: 36.6,20.85 30.1,20.85 30.1,23.3 36.6,23.3
12V0 on In4_PWR.Cu: 5.5,20 34.5,20 34.5,24.1 35.8,24.1 35.8,26 35.2,26 35.2,27 36.7,27 36.7,16.4 3.3,16.4 3.3,27.3 0,27.3 0,29 5.5,29
/Power distribution/OMODRI_Alim_1V2/1V2 on Top: 21.5,21.5 22.4,21.5 22.4,20.6 24,20.6 24,21.5 23.6,21.5 23.6,22.8 22.4,22.8 22.4,23.1 21.5,23.1
/Power distribution/OMODRI_Alim_3V3/3V3 on Top: 26.6,21.5 27.4,21.5 27.4,20.6 30.3,20.6 30.3,22.8 26.6,22.8
GND on Top, Bottom, In1_GND.Cu, In2_sig.Cu, In3_sig.Cu, In4_PWR.Cu: 50,0 0,0 0,50 50,50
